# KiCad board FD_new_testblock2.kicad_pcb (continued)
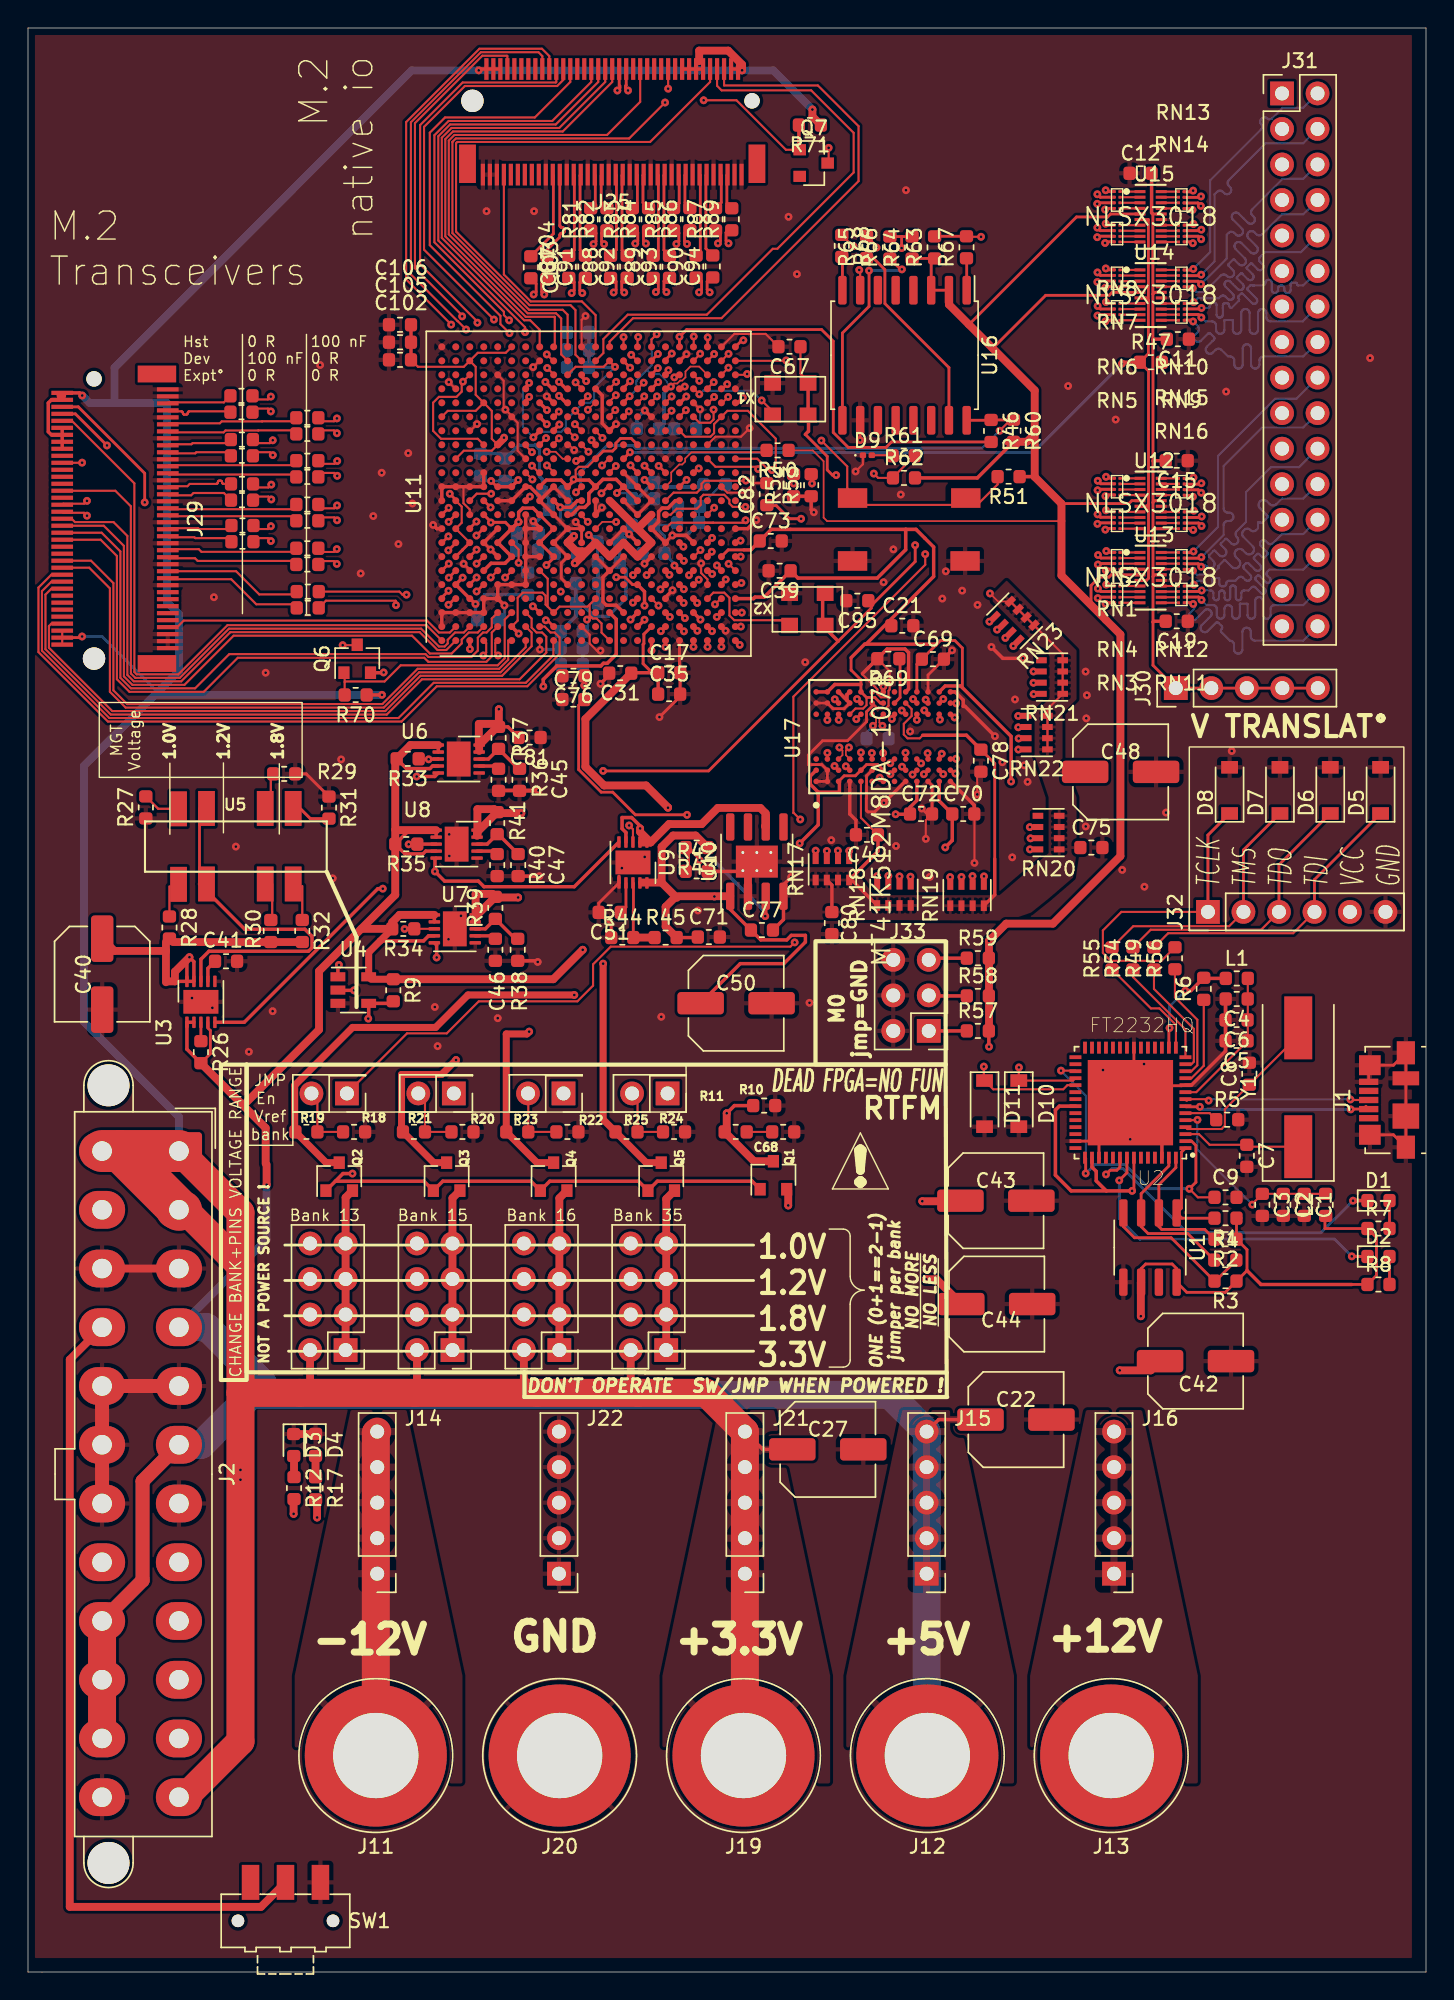
[diagram p0: board, top side]
## Routing (per net, layer and track width the routed paths; a pad name or vN(x,y) marks a point on that pad's centre or on a via; arc(x,y) is an arc through that point) (continued)
VTRANS_3_7: length 18.3
  Top w0.21: 82.73,103.6 83.73,103.6 v1(83.94,103.39)
  In2.Cu_SigDDR w0.15: J31.29 88.71,99.75 88.66,99.79 88.6,99.82 88.54,99.83 88.47,99.83 88.4,99.82 88.34,99.79 88.29,99.75 88.05,99.5 87.99,99.46 87.93,99.43 87.87,99.42 87.8,99.42 87.73,99.43 87.67,99.46 87.62,99.5 87.58,99.55 87.55,99.61 87.54,99.68 87.54,99.75 87.55,99.81 87.58,99.87 87.62,99.93 88.53,100.84 88.58,100.89 88.61,100.95 88.62,101.02 88.62,101.08 88.61,101.15 88.58,101.21 88.53,101.26 88.48,101.3 88.42,101.33 88.36,101.35 88.29,101.35 88.22,101.33 88.16,101.3 88.11,101.26 87.41,100.56 87.36,100.52 87.3,100.49 87.23,100.48 87.16,100.48 87.1,100.49 87.04,100.52 86.98,100.56 86.94,100.61 86.91,100.68 86.9,100.74 86.9,100.81 86.91,100.87 86.94,100.93 86.98,100.99 87.69,101.69 87.73,101.74 87.76,101.8 87.77,101.87 87.77,101.93 87.76,102 87.73,102.06 87.69,102.11 87.63,102.15 87.57,102.18 87.51,102.2 87.44,102.2 87.37,102.18 87.31,102.15 87.26,102.11 86.56,101.41 86.51,101.37 86.45,101.34 86.38,101.32 86.31,101.32 86.25,101.34 86.19,101.37 86.14,101.41 86.09,101.46 86.07,101.52 86.05,101.59 86.05,101.66 86.07,101.72 86.09,101.78 86.14,101.84 86.84,102.54 86.88,102.59 86.91,102.65 86.92,102.71 86.92,102.78 86.91,102.85 86.88,102.91 86.84,102.96 86.78,103 86.72,103.03 86.66,103.05 86.59,103.05 86.53,103.03 86.47,103 86.41,102.96 85.71,102.26 85.66,102.22 85.6,102.19 85.53,102.17 85.47,102.17 85.4,102.19 85.34,102.22 85.29,102.26 85.25,102.31 85.22,102.37 85.2,102.44 85.2,102.5 85.22,102.57 85.25,102.63 85.29,102.68 85.32,102.72 85.36,102.77 85.39,102.83 85.41,102.89 85.41,102.96 85.39,103.03 85.36,103.09 85.32,103.14 85.07,103.39 v1(83.94,103.39)
VTRANS_3_8: length 18.4
  Top w0.21: v1(83.35,103.1) 83.25,103.2 82.73,103.2
  In2.Cu_SigDDR w0.15: J31.31 86.73,99.19 86.68,99.23 86.62,99.26 86.55,99.27 86.49,99.27 86.42,99.26 86.36,99.23 86.31,99.19 86.07,98.95 86.02,98.91 85.96,98.88 85.89,98.86 85.83,98.86 85.76,98.88 85.7,98.91 85.65,98.95 85.61,99 85.58,99.06 85.56,99.13 85.56,99.2 85.58,99.26 85.61,99.32 85.65,99.37 86.55,100.27 86.59,100.33 86.62,100.39 86.63,100.45 86.63,100.52 86.62,100.58 86.59,100.64 86.55,100.7 86.49,100.74 86.43,100.77 86.37,100.78 86.3,100.78 86.23,100.77 86.17,100.74 86.12,100.7 85.22,99.8 85.17,99.76 85.11,99.73 85.04,99.71 84.98,99.71 84.91,99.73 84.85,99.76 84.8,99.8 84.76,99.85 84.73,99.91 84.71,99.98 84.71,100.04 84.73,100.11 84.76,100.17 84.8,100.22 85.7,101.12 85.74,101.17 85.77,101.23 85.78,101.3 85.78,101.37 85.77,101.43 85.74,101.49 85.7,101.55 85.64,101.59 85.58,101.62 85.52,101.63 85.45,101.63 85.39,101.62 85.32,101.59 85.27,101.55 84.79,101.06 84.78,101.05 84.77,101.05 84.76,101.05 84.75,101.05 84.74,101.05 84.73,101.05 84.72,101.06 84.36,101.41 84.36,101.42 84.35,101.43 84.35,101.44 84.35,101.46 84.35,101.47 84.36,101.48 84.36,101.49 84.85,101.97 84.89,102.02 84.92,102.08 84.93,102.15 84.93,102.22 84.92,102.28 84.89,102.34 84.85,102.39 84.8,102.44 84.73,102.46 84.67,102.48 84.6,102.48 84.54,102.46 84.48,102.44 84.42,102.39 83.97,101.95 83.95,101.97 83.9,101.92 83.89,101.91 83.88,101.9 83.86,101.9 83.85,101.9 83.83,101.9 83.82,101.91 83.81,101.92 83.48,102.25 83.47,102.26 83.46,102.27 83.46,102.29 83.46,102.3 83.46,102.32 83.47,102.33 83.49,102.36 83.5,102.37 83.5,102.38 83.5,102.4 83.5,102.41 83.49,102.43 83.48,102.44 83.35,102.57 v1(83.35,103.1)
VTRANS_4_1: length 17.7
  Top w0.21: v1(83.37,101.57) 83.28,101.49 82.71,101.49
  B.Cu_GND_DDR w0.15: J31.18 90.73,112.49 89.21,112.49 85.12,108.4 85.12,103.33 v1(83.37,101.57)
VTRANS_4_2: length 17.6
  Top w0.21: v1(83.93,101.16) 83.86,101.09 82.71,101.09
  B.Cu_GND_DDR w0.15: J31.20 91.21,110.43 88.27,110.43 85.52,107.68 85.52,104.65 85.53,104.58 85.55,104.52 85.59,104.46 85.63,104.42 85.69,104.38 85.75,104.36 85.82,104.35 85.92,104.35 85.99,104.34 86.05,104.32 86.11,104.28 86.16,104.24 86.19,104.18 86.22,104.12 86.22,104.05 86.22,103.98 86.19,103.92 86.16,103.86 86.11,103.82 86.05,103.78 85.99,103.76 85.92,103.75 85.82,103.75 85.75,103.74 85.69,103.72 85.63,103.68 85.59,103.64 85.55,103.58 85.53,103.52 85.52,103.45 85.52,102.75 v1(83.93,101.16)
VTRANS_4_3: length 17.6
  Top w0.21: 82.71,100.69 83.71,100.69 v1(83.92,100.48)
  B.Cu_GND_DDR w0.15: v1(83.92,100.48) 83.97,100.52 84.03,100.55 84.1,100.57 84.16,100.57 84.23,100.55 84.29,100.52 84.34,100.48 84.36,100.46 84.41,100.42 84.47,100.39 84.54,100.38 84.61,100.38 84.67,100.39 84.73,100.42 84.79,100.46 84.83,100.51 84.86,100.57 84.87,100.64 84.87,100.71 84.86,100.77 84.83,100.83 84.79,100.89 84.49,101.18 84.48,101.19 84.47,101.21 84.47,101.23 84.47,101.25 84.47,101.27 84.48,101.29 84.49,101.3 84.79,101.6 84.81,101.61 84.83,101.62 84.85,101.63 84.87,101.63 84.88,101.62 84.9,101.61 84.92,101.6 85.21,101.31 85.26,101.27 85.32,101.24 85.39,101.22 85.46,101.22 85.52,101.24 85.58,101.27 85.63,101.31 85.68,101.36 85.7,101.42 85.72,101.49 85.72,101.56 85.7,101.62 85.68,101.68 85.63,101.73 85.34,102.03 85.33,102.04 85.32,102.06 85.32,102.08 85.32,102.1 85.32,102.12 85.33,102.13 85.34,102.15 85.64,102.45 85.66,102.46 85.68,102.47 85.69,102.48 85.71,102.48 85.73,102.47 85.75,102.46 85.77,102.45 86.06,102.16 86.11,102.12 86.17,102.09 86.24,102.07 86.3,102.07 86.37,102.09 86.43,102.12 86.48,102.16 86.52,102.21 86.55,102.27 86.57,102.34 86.57,102.4 86.55,102.47 86.52,102.53 86.48,102.58 86.46,102.6 86.42,102.65 86.39,102.71 86.38,102.78 86.38,102.85 86.39,102.91 86.42,102.97 86.46,103.02 87.12,103.68 87.12,105.81 88.91,107.6 90.92,107.6 J31.22
VTRANS_4_4: length 18.4
  Top w0.21: v1(83.32,100.19) 83.23,100.29 82.71,100.29
  B.Cu_GND_DDR w0.15: J31.24 91.21,105.35 89.7,105.35 89.31,104.96 89.24,104.91 89.17,104.88 89.1,104.86 89.02,104.86 88.94,104.88 88.87,104.91 88.81,104.96 88.62,105.15 88.56,105.2 88.49,105.24 88.41,105.26 88.33,105.26 88.26,105.24 88.19,105.2 88.12,105.15 88.08,105.09 88.04,105.02 88.02,104.95 88.02,104.87 88.04,104.79 88.08,104.72 88.12,104.66 88.56,104.22 88.55,104.21 88.63,104.13 88.65,104.11 88.66,104.09 88.66,104.07 88.66,104.04 88.66,104.02 88.65,103.99 88.63,103.98 88.29,103.64 88.27,103.62 88.25,103.61 88.23,103.61 88.2,103.61 88.18,103.61 88.16,103.62 88.12,103.65 88.09,103.66 88.07,103.67 88.05,103.67 88.02,103.66 88,103.65 87.98,103.64 87.98,103.22 87.87,103.11 87.82,103.07 87.75,103.04 87.69,103.02 87.62,103.02 87.55,103.04 87.48,103.07 87.38,103.15 87.31,103.18 87.25,103.2 87.18,103.2 87.11,103.18 87.05,103.15 86.99,103.11 86.94,103.05 86.89,103 86.86,102.94 86.85,102.87 86.85,102.8 86.86,102.73 86.89,102.67 86.94,102.61 87.59,101.96 87.64,101.89 87.68,101.82 87.69,101.75 87.69,101.67 87.68,101.59 87.64,101.52 87.59,101.46 87.53,101.41 87.46,101.38 87.39,101.36 87.31,101.36 87.23,101.38 87.16,101.41 87.1,101.46 86.91,101.65 86.85,101.7 86.78,101.74 86.7,101.75 86.62,101.75 86.54,101.74 86.47,101.7 86.41,101.65 86.36,101.59 86.33,101.52 86.31,101.44 86.31,101.37 86.33,101.29 86.36,101.22 86.41,101.16 86.6,100.97 86.65,100.9 86.69,100.83 86.7,100.76 86.7,100.68 86.69,100.6 86.65,100.53 86.6,100.47 86.54,100.42 86.47,100.39 86.4,100.37 86.32,100.37 86.24,100.39 86.17,100.42 86.11,100.47 85.63,100.95 85.63,100.95 85.62,100.96 85.61,100.96 85.59,100.96 85.58,100.96 85.57,100.95 85.56,100.95 85.14,100.52 85.13,100.51 85.13,100.5 85.13,100.49 85.13,100.48 85.13,100.47 85.13,100.46 85.15,100.44 85.15,100.43 85.15,100.42 85.15,100.41 85.15,100.4 85.15,100.39 85.14,100.38 84.67,99.91 83.6,99.91 v1(83.32,100.19)
  B.Cu_GND_DDR w0.21: v1(83.32,100.19) 83.35,100.22
VTRANS_4_5: length 17.6
  Top w0.21: 82.73,99.11 83.3,99.11 v1(83.39,99.2)
  B.Cu_GND_DDR w0.15: v1(83.39,99.2) 83.67,99.48 84.01,99.48 84.06,99.47 84.1,99.46 84.14,99.43 84.17,99.4 84.19,99.36 84.21,99.32 84.22,99.23 84.23,99.19 84.26,99.15 84.29,99.12 84.33,99.1 84.37,99.08 84.41,99.08 84.51,99.08 84.56,99.08 84.6,99.1 84.64,99.12 84.67,99.15 84.69,99.19 84.71,99.23 84.71,99.28 84.71,99.48 84.71,99.58 84.72,99.6 84.72,99.62 84.74,99.64 84.75,99.65 84.77,99.67 84.79,99.67 84.81,99.68 85.11,99.68 85.14,99.67 85.16,99.67 85.18,99.65 85.19,99.64 85.2,99.62 85.21,99.6 85.21,99.58 85.21,99.28 85.22,99.23 85.23,99.19 85.26,99.15 85.29,99.12 85.33,99.1 85.37,99.08 85.41,99.08 85.51,99.08 85.56,99.08 85.6,99.1 85.64,99.12 85.67,99.15 85.69,99.19 85.71,99.23 85.72,99.32 85.73,99.36 85.76,99.4 85.79,99.43 85.83,99.46 85.87,99.47 85.91,99.48 86.36,99.48 86.57,99.69 86.62,99.72 86.67,99.75 86.72,99.76 86.78,99.76 86.83,99.75 86.88,99.72 86.92,99.69 87.07,99.55 87.11,99.51 87.16,99.49 87.21,99.48 87.27,99.48 87.33,99.49 87.38,99.51 87.42,99.55 87.45,99.59 87.48,99.64 87.49,99.7 87.49,99.75 87.48,99.81 87.45,99.86 87.42,99.9 86.98,100.34 86.95,100.37 86.94,100.41 86.93,100.45 86.93,100.49 86.94,100.52 86.95,100.56 86.98,100.59 87.08,100.7 87.12,100.72 87.15,100.74 87.19,100.75 87.23,100.75 87.27,100.74 87.3,100.72 87.33,100.7 87.77,100.25 87.82,100.22 87.87,100.2 87.92,100.18 87.98,100.18 88.03,100.2 88.08,100.22 88.13,100.25 88.16,100.3 88.19,100.35 88.2,100.4 88.2,100.46 88.19,100.51 88.16,100.56 88.13,100.61 87.72,101.01 87.7,101.04 87.69,101.06 87.68,101.09 87.68,101.12 87.69,101.14 87.7,101.17 87.72,101.19 87.9,101.37 87.92,101.39 87.94,101.4 87.97,101.4 88,101.4 88.03,101.4 88.05,101.39 88.07,101.37 88.27,101.17 88.29,101.15 88.32,101.14 88.36,101.13 88.39,101.13 88.42,101.14 88.45,101.15 88.48,101.17 88.62,101.32 88.64,101.34 88.66,101.37 88.66,101.4 88.66,101.44 88.66,101.47 88.64,101.5 88.62,101.53 88.2,101.95 88.16,101.99 88.14,102.05 88.13,102.1 88.13,102.16 88.14,102.21 88.16,102.26 88.2,102.3 88.24,102.34 88.29,102.36 88.35,102.38 88.4,102.38 88.46,102.36 88.51,102.34 88.55,102.3 88.69,102.16 88.74,102.13 88.79,102.1 88.84,102.09 88.9,102.09 88.95,102.1 89,102.13 89.05,102.16 89.7,102.81 91.21,102.81 J31.26
VTRANS_4_6: length 17.6
  Top w0.21: v1(83.95,98.78) 83.88,98.71 82.73,98.71
  B.Cu_GND_DDR w0.15: v1(83.95,98.78) 84.59,98.78 84.64,98.78 84.68,98.76 84.72,98.74 84.75,98.71 84.77,98.67 84.79,98.63 84.79,98.58 84.79,98.28 84.8,98.23 84.81,98.19 84.83,98.15 84.87,98.12 84.9,98.1 84.95,98.08 84.99,98.08 85.04,98.08 85.08,98.1 85.12,98.12 85.15,98.15 85.17,98.19 85.19,98.23 85.19,98.28 85.19,98.58 85.2,98.63 85.21,98.67 85.23,98.71 85.27,98.74 85.3,98.76 85.35,98.78 85.39,98.78 85.44,98.78 85.48,98.76 85.52,98.74 85.55,98.71 85.57,98.67 85.59,98.63 85.59,98.58 85.59,98.28 85.6,98.23 85.61,98.19 85.63,98.15 85.67,98.12 85.7,98.1 85.75,98.08 85.79,98.08 85.84,98.08 85.88,98.1 85.92,98.12 85.95,98.15 85.97,98.19 85.99,98.23 85.99,98.28 85.99,98.96 86,99 86.01,99.03 86.03,99.07 86.06,99.09 86.09,99.12 86.13,99.13 86.17,99.13 86.22,99.13 86.25,99.13 86.29,99.12 86.33,99.09 86.35,99.07 86.37,99.03 86.39,99 86.39,98.96 86.39,98.28 86.4,98.23 86.41,98.19 86.43,98.15 86.47,98.12 86.5,98.1 86.55,98.08 86.59,98.08 86.64,98.08 86.68,98.1 86.72,98.12 86.75,98.15 86.77,98.19 86.79,98.23 86.79,98.28 86.79,98.58 86.8,98.63 86.81,98.67 86.83,98.71 86.87,98.74 86.9,98.76 86.95,98.78 86.99,98.78 87.3,98.78 87.51,98.99 87.55,99.02 87.59,99.04 87.63,99.05 87.68,99.05 87.72,99.04 87.76,99.02 87.8,98.99 88.19,98.6 88.22,98.58 88.26,98.56 88.31,98.55 88.35,98.55 88.39,98.56 88.43,98.58 88.47,98.6 88.5,98.64 88.52,98.68 88.53,98.72 88.53,98.77 88.52,98.81 88.5,98.85 88.47,98.89 87.83,99.52 87.81,99.55 87.8,99.58 87.79,99.61 87.79,99.65 87.8,99.68 87.81,99.71 87.83,99.74 87.9,99.81 87.93,99.83 87.96,99.84 87.99,99.85 88.02,99.85 88.06,99.84 88.09,99.83 88.11,99.81 88.54,99.38 88.58,99.35 88.62,99.33 88.66,99.32 88.7,99.32 88.75,99.33 88.79,99.35 88.82,99.38 88.85,99.42 88.87,99.46 88.88,99.5 88.88,99.54 88.87,99.59 88.85,99.63 88.82,99.66 88.64,99.84 88.62,99.88 88.6,99.92 88.59,99.96 88.59,100.01 88.6,100.05 88.62,100.09 88.64,100.12 88.79,100.27 91.21,100.27 J31.28
VTRANS_4_7: length 17.6
  Top w0.21: 82.73,98.31 83.73,98.31 v1(83.94,98.1)
  B.Cu_GND_DDR w0.15: J31.30 91.21,97.73 89.15,97.73 89.09,97.73 89.04,97.71 88.98,97.68 88.94,97.63 88.91,97.58 88.89,97.52 88.88,97.46 88.88,97.03 88.87,96.97 88.85,96.91 88.82,96.86 88.78,96.82 88.72,96.78 88.67,96.76 88.6,96.76 88.54,96.76 88.49,96.78 88.43,96.82 88.39,96.86 88.36,96.91 88.34,96.97 88.33,97.03 88.33,98.04 88.32,98.1 88.3,98.16 88.27,98.21 88.23,98.25 88.17,98.29 88.12,98.31 88.05,98.31 87.99,98.31 87.94,98.29 87.88,98.25 87.84,98.21 87.81,98.16 87.79,98.1 87.78,98.04 87.78,97.03 87.77,96.97 87.75,96.91 87.72,96.86 87.68,96.82 87.62,96.78 87.57,96.76 87.5,96.76 87.44,96.76 87.39,96.78 87.33,96.82 87.29,96.86 87.26,96.91 87.24,96.97 87.23,97.03 87.23,97.78 87.23,97.8 87.23,97.81 87.22,97.82 87.21,97.82 87.2,97.83 87.19,97.83 87.18,97.83 86.73,97.83 86.72,97.83 86.71,97.83 86.7,97.82 86.69,97.82 86.68,97.81 86.68,97.8 86.68,97.78 86.68,97.03 86.67,96.97 86.65,96.91 86.62,96.86 86.58,96.82 86.52,96.78 86.47,96.76 86.4,96.76 86.34,96.76 86.29,96.78 86.23,96.82 86.19,96.86 86.16,96.91 86.14,96.97 86.13,97.03 86.13,97.46 86.12,97.52 86.1,97.58 86.07,97.63 86.03,97.68 85.97,97.71 85.92,97.73 85.85,97.73 85.79,97.73 85.74,97.71 85.68,97.68 85.64,97.63 85.61,97.58 85.59,97.52 85.58,97.46 85.58,97.03 85.57,96.97 85.55,96.91 85.52,96.86 85.48,96.82 85.42,96.78 85.37,96.76 85.3,96.76 85.24,96.76 85.19,96.78 85.13,96.82 85.09,96.86 85.06,96.91 85.04,96.97 85.03,97.03 85.03,97.46 85.02,97.52 85,97.58 84.97,97.63 84.93,97.68 84.87,97.71 84.82,97.73 84.75,97.73 84.31,97.73 v1(83.94,98.1)
VTRANS_4_8: length 18.4
  Top w0.21: 82.73,97.91 83.25,97.91 v1(83.35,97.81)
  B.Cu_GND_DDR w0.15: v1(83.35,97.81) 83.39,97.76 83.42,97.7 83.43,97.64 83.43,97.57 83.42,97.5 83.39,97.44 83.35,97.39 83.11,97.16 83.07,97.11 83.04,97.04 83.03,96.98 83.03,96.91 83.04,96.85 83.07,96.79 83.11,96.73 83.17,96.69 83.23,96.66 83.29,96.65 83.36,96.65 83.43,96.66 83.49,96.69 83.54,96.73 84.17,97.36 84.22,97.4 84.27,97.43 84.33,97.44 84.39,97.44 84.44,97.43 84.5,97.4 84.54,97.36 84.59,97.31 84.63,97.27 84.66,97.21 84.67,97.16 84.67,97.1 84.66,97.04 84.63,96.99 84.59,96.94 83.96,96.31 83.92,96.26 83.89,96.2 83.88,96.13 83.88,96.06 83.89,96 83.92,95.94 83.96,95.88 84.02,95.84 84.08,95.81 84.14,95.8 84.21,95.8 84.27,95.81 84.34,95.84 84.39,95.88 84.95,96.45 84.98,96.47 85.01,96.48 85.05,96.49 85.08,96.49 85.12,96.48 85.15,96.47 85.18,96.45 85.37,96.25 85.4,96.23 85.41,96.19 85.42,96.16 85.42,96.12 85.41,96.08 85.4,96.05 85.35,95.99 85.33,95.96 85.33,95.92 85.33,95.89 85.33,95.85 85.35,95.82 85.37,95.79 85.97,95.19 86.03,95.19 86.1,95.17 86.15,95.13 86.2,95.08 86.24,95.03 86.26,94.96 86.27,94.89 86.27,94.57 86.27,94.5 86.3,94.44 86.33,94.38 86.38,94.33 86.44,94.3 86.5,94.27 86.57,94.27 86.63,94.27 86.7,94.3 86.75,94.33 86.8,94.38 86.84,94.44 86.86,94.5 86.87,94.57 86.87,95.82 86.87,95.89 86.9,95.95 86.93,96.01 86.98,96.06 87.04,96.09 87.1,96.12 87.17,96.12 87.23,96.12 87.3,96.09 87.35,96.06 87.4,96.01 87.44,95.95 87.46,95.89 87.47,95.82 87.47,95.49 87.47,95.43 87.5,95.36 87.53,95.31 87.58,95.26 87.64,95.22 87.7,95.2 87.77,95.19 91.21,95.19 J31.32
  B.Cu_GND_DDR w0.21: v1(83.35,97.81) 83.37,97.84
VTRANS_OE: length 68.6
  Top w0.2: 80.13,119.53 79.96,119.7 U14.6 ; 80.13,119.53 80.14,119.54 80.14,125.29 80.13,125.3 U15.6 ; 80.13,119.53 80.14,119.52 80.14,115.72 R47.1 80.15,114.47 80.15,104.95 ; 80.15,104.95 80,104.8 U12.6 ; 80.15,104.95 80.15,99.65 80,99.5 U13.6
  Top w0.21: U11.P14 v1(43.06,108.66)
  Top w0.244: R47.1 78.35,115.1 v1(78.25,115)
  B.Cu_GND_DDR w0.21: v1(78.25,115) 71.9,108.65 43.07,108.65 v1(43.06,108.66)
Net-(C1-Pad1): length 14.2
  Top w0.15: L2.2 91.29,55.64 C1.1 C3.1 87.57,54.92 v1(87.57,54.87) ; v1(83.65,60.93) 83.63,60.91 U2.5
  B.Cu_GND_DDR w0.15: v1(87.57,54.87) 83.65,58.79 v1(83.65,60.93)
Net-(C4-Pad1): length 10.4
  Top w0.15: 87.23,66.57 87.25,66.59 L1.2 ; 87.24,66.58 83.56,62.91 U2.9
Net-(C7-Pad1): length 8.4
  Top w0.15: Y1.1 87.32,59.01 C7.1 84.52,59.15 83.76,59.91 U2.3
Net-(C8-Pad1): length 12.1
  Top w0.15: Y1.2 90.86,66.94 C8.1 85.61,61.69 85.61,60.51 85.37,60.28 82.93,60.28 U2.4
Net-(C9-Pad1): length 24.6
  Top w0.15: v1(73.89,64.45) 74.88,64.45 U2.31 ; C9.1 83.68,55.39 v1(83.07,56)
  Top w0.2: v1(75.66,57.1) 75.66,58.17 U2.43 ; 83.08,59.41 83.23,59.41 83.54,59.1 83.54,56.47 v1(83.07,56)
  B.Cu_GND_DDR w0.15: v1(75.66,57.1) 75.66,62.68 v1(73.89,64.45)
  B.Cu_GND_DDR w0.2: v1(83.07,56) 80.19,56 78.46,57.73 76.29,57.73 v1(75.66,57.1)
Net-(C11-Pad2): length 53.1
  Top w0.2: U13.16 80.6,99.9 80.47,99.77 ; 80.47,99.77 80.47,105.07 ; 80.47,99.77 80.47,93.43 J30.1 J30.5 ; 80.47,105.07 80.47,114.58 80.46,114.59 80.46,119.96 ; 80.47,105.07 80.6,105.2 U12.16 ; 80.46,119.96 80.6,120.1 U14.16 ; 80.46,119.96 80.46,125.69 80.47,125.7 U15.16
  Top w0.244: 80.47,96.53 80.52,96.58 C19.2 ; C15.2 80.49,108.06 80.47,108.04 ; 80.46,116.7 80.51,116.75 C11.2 ; C12.2 80.37,125.78 80.46,125.69
Net-(C41-Pad1): length 1.6
  Top w0.244: C41.1 12.87,71.76 U3.7
Net-(C45-Pad1): length 1.2
  Top w0.244: 33.46,86.23 U6.7
Net-(C46-Pad1): length 1.2
  Top w0.244: 33.22,74.09 U7.7
Net-(C47-Pad1): length 1.2
  Top w0.244: 33.35,80.14 U8.7
Net-(C51-Pad1): length 2.3
  Top w0.2: U9.7 42.77,76.14 C51.1
Net-(D1-Pad1): length 23.6
  Top w0.2: v1(77.11,57.03) 77.4,57.33 77.88,57.33 78.11,57.55 U2.48
  Top w0.25: v1(94.78,55.15) 94.79,55.16 D1.1
  B.Cu_GND_DDR w0.2: v1(94.78,55.15) 92.49,52.86 82.91,52.86 78.34,57.43 77.51,57.43 v1(77.11,57.03)
Net-(D1-Pad2): length 2
  Top w0.2: R7.2 D1.2
Net-(D2-Pad1): length 23.5
  Top w0.2: v1(94.69,51.17) 95.28,51.17 95.28,51.16 D2.1 ; v1(78.06,56.6) 78.61,57.15 U2.49
  B.Cu_GND_DDR w0.2: v1(94.69,51.17) 93.46,52.4 79.54,52.4 78.06,53.88 v1(78.06,56.6)
Net-(D2-Pad2): length 2
  Top w0.2: R8.2 D2.2
Net-(D3-Pad2): length 1.5
  Top w0.56: R12.1 19.03,36.87
Net-(D4-Pad2): length 1.5
  Top w0.56: R17.1 D4.2
Net-(D5-Pad1): length 88.8
  Top w0.12: v1(43.1,107.73) 43.1,107.7
  Top w0.15: J32.4 90.49,74.27 81.56,74.27 R49.2
  Top w0.2: D5.1 92.02,78.11 J32.4 ; 43.1,107.7 U11.R13
  In2.Cu_SigDDR w0.2: J32.4 92.02,78.42 79.32,91.12 79.32,94.03 64.33,109.02 44.23,109.02 43.1,107.89 v1(43.1,107.73)
Net-(D6-Pad1): length 86
  Top w0.15: R54.2 80.31,74.52 88.2,74.52 J32.3
  Top w0.2: v1(45.11,107.69) U11.U13 ; D6.1 89.48,79.17 J32.3
  In2.Cu_SigDDR w0.2: v1(45.11,107.69) 45.11,107.75 45.62,108.26 63.61,108.26 77.9,93.97 77.9,91.1 85.89,83.11 85.89,75.3 86.44,74.75 88.43,74.75 J32.3
Net-(D7-Pad1): length 82.1
  Top w0.15: J32.2 85.91,74.77 79.06,74.77 R55.2
  Top w0.2: J32.2 86.94,80.23 D7.1 ; U11.T13 v1(44.1,107.7)
  In2.Cu_SigDDR w0.2: v1(44.1,107.7) 44.1,107.97 44.69,108.56 60.41,108.56 ; 60.41,108.56 60.39,108.58 ; 60.41,108.56 64.21,108.56 78.72,94.05 78.72,91.03 86.94,82.81 J32.2
Net-(D8-Pad1): length 81
  Top w0.15: J32.1 78.21,75.8 76.88,74.47 76.88,72.87 77.45,72.3 81.07,72.3 R56.2
  Top w0.2: U11.V12 47.09,106.69 v1(47.11,106.69)
  Top w0.21: D8.1 84.4,81.29 J32.1
  In2.Cu_SigDDR w0.2: 84.02,76.18 77.4,82.8 77.4,93.78 63.41,107.77 55.05,107.77 54.13,106.85 51.83,106.85 51.83,106.87 51.58,107.12 51.12,107.12 50.69,106.69 v1(47.11,106.69)
Net-(D9-Pad2): length 1.5
  Top w0.15: D9.2 61.82,108.45
Net-(J2-Pad9): length 14.1
  Top w0.56: v1(20.68,32.5) 20.68,33.69
  In4.Cu_SigDDR w0.56: v1(20.68,32.5) 13.28,25.1 J2.9
Net-(J2-Pad16): length 58.6
  Top w0.56: J2.16 2.99,43.79 2.99,4.66 16.67,4.66 SW1.2
Net-(J3-Pad1): length 11.6
  Top w0.56: Q2.2 22.72,55.38 J3.1
Net-(J4-Pad1): length 11.6
  Top w0.56: Q3.2 30.36,55.34 J4.1
Net-(J5-Pad1): length 11.6
  Top w0.56: Q4.2 38.01,55.33 J5.1
Net-(J6-Pad1): length 11.6
  Top w0.56: J6.1 J6.7 45.65,55.28 Q5.2
Net-(J7-Pad2): length 4.2
  Top w0.15: 20.7,62.39 R19.2 R18.1
Net-(J8-Pad2): length 4.2
  Top w0.15: 28.4,62.34 R21.2 R20.1
Net-(J9-Pad2): length 4.7
  Top w0.15: R22.1 R23.2 35.79,62.8
Net-(J10-Pad2): length 4.2
  Top w0.15: R24.1 R25.2 43.6,62.43
Net-(R1-Pad2): length 7.8
  Top w0.2: U2.1 82.51,58.63 82.51,54.62 82.16,54.28 82.54,53.9 R1.2
Net-(R2-Pad2): length 9.5
  Top w0.2: 82.11,57.94 82.11,57.52 80.89,56.3 80.89,53.3 81.09,53.1 84.17,53.1 R2.2
Net-(R3-Pad2): length 11.2
  Top w0.2: 78.35,54.28 78.35,53.3 79.15,52.5 81.77,52.5 R3.2 ; 84.93,49.4 R4.2
Net-(R4-Pad1): length 11.7
  Top w0.2: R4.1 82.96,52.8 80.12,52.8 79.62,53.3 79.62,55.65 81.61,57.64 81.61,57.92
Net-(R5-Pad1): length 2.4
  Top w0.15: R5.1 84.52,61.41 U2.6
Net-(R6-Pad1): length 6.4
  Top w0.15: R6.1 84.1,64.79 83.22,63.91 U2.11
Net-(R26-Pad1): length 1.3
  Top w0.2: R26.1 U3.3
Net-(R27-Pad2): length 2.2
  Top w0.16: 10.27,83.17 9.32,83.17 R27.2
Net-(R28-Pad1): length 2.2
  Top w0.16: R28.1 10.12,77.62
Net-(R29-Pad2): length 2.3
  Top w0.16: 17.37,85.64 17.37,83.3
Net-(R30-Pad1): length 2.5
  Top w0.16: 17.47,77.8 17.47,75.32
Net-(R31-Pad2): length 2.4
  Top w0.21: 19.47,83.19 20.2,82.47 R31.2
Net-(R32-Pad1): length 2.4
  Top w0.16: R32.1 19.62,77.64
Net-(R34-Pad1): length 9.2
  Top w0.15: R34.1 U7.3
  Top w0.244: v1(26.94,74.58) 26.95,74.59 R34.1 ; v1(23.32,70.19) 22.19,70.19
  In2.Cu_SigDDR w0.244: v1(26.94,74.58) 26.94,73.81 v1(23.32,70.19)
Net-(R35-Pad1): length 13.5
  Top w0.244: U8.3 R35.1 ; U4.1 22.17,71.94 v1(22.24,72.01) ; v1(27.23,80.63) 27.83,80.63
  In2.Cu_SigDDR w0.244: v1(27.23,80.63) 22.24,75.64 v1(22.24,72.01)
Net-(R36-Pad2): length 3.7
  Top w0.244: U6.8 32.94,86.73 R37.1 35.09,86.03
Net-(R38-Pad2): length 3.7
  Top w0.244: 34.85,73.88 R39.1 32.72,74.59 U7.8
Net-(R40-Pad2): length 3.7
  Top w0.244: U8.8 32.85,80.64 R41.1 ; 33.63,81.36 R40.2
Net-(R42-Pad1): length 18.7
  Top w0.15: v1(43,81.98) 43.27,81.71 U9.3
  Top w0.2: 47.25,78.69 47.25,80.39
  Top w0.25: v1(52.74,75.5) 52.77,75.53 U10.3 ; v1(48.03,79.5) 48.03,79.61 47.25,80.39
  In4.Cu_SigDDR w0.15: v1(43,81.98) 43.19,81.98 43.68,82.47 45.06,82.47 v1(48.03,79.5)
  B.Cu_GND_DDR w0.25: v1(52.74,75.5) 52.74,75.8 49.03,79.5 v1(48.03,79.5)
Net-(R44-Pad2): length 5.5
  Top w0.2: R44.2 43.3,75.88 43.31,75.9 43.31,77.83 U9.8
  Top w0.56: R45.1 R44.2
Net-(R46-Pad2): length 30.3
  Top w0.2: 68.5,109.4 61.76,109.4 61.37,109.01 58.67,109.01 57.6,110.08 57.6,116.6 56.76,117.44 47.12,117.44 v1(46.6,116.92) U11.V22
Net-(R48-Pad2): length 2.6
  Top w0.15: v1(35.09,100.76) 35.09,101.7 U11.F8
  B.Cu_GND_DDR w0.15: v1(35.09,100.76) 35.09,100.71 R48.2
Net-(R50-Pad2): length 8.8
  Top w0.12: R50.2 52.69,108.66 47.45,108.66 47.01,108.22 47.01,108 46.8,107.79 46.58,107.79 46.01,107.22 46.01,106.61 U11.U12
Net-(R51-Pad2): length 35.5
  Top w0.15: R51.2 69.35,106.37 67.89,104.9 59.79,104.9 58.6,106.09 58.6,107.65 v1(56.75,109.5)
  Top w0.2: 41.49,106.2 v1(41.02,105.73)
  In2.Cu_SigDDR w0.2: v1(41.02,105.73) 41.57,106.28 41.57,107.91 43.16,109.5 v1(56.75,109.5)
Net-(R52-Pad2): length 18.7
  Top w0.15: v1(54.77,106.43) 54.77,107.09 ; 39.6,104.13 v1(40.04,103.69)
  In4.Cu_SigDDR w0.15: v1(40.04,103.69) 40.86,103.69 43.64,106.47 43.64,106.91 43.97,107.23 45.41,107.23 46.15,107.97 50.94,107.97 52.48,106.43 v1(54.77,106.43)
Net-(R53-Pad2): length 17.4
  Top w0.12: v1(56.08,106.43) 56.08,107.03 ; U11.M9 41.08,103.68 v1(42.07,103.68)
  In2.Cu_SigDDR w0.12: v1(42.07,103.68) 43.59,105.2 54.09,105.2 54.56,105.67 55.32,105.67 v1(56.08,106.43)
Net-(R61-Pad2): length 30.5
  Top w0.15: v1(60.5,107.14) 60.81,106.83 R62.1 ; 35.61,105.2 v1(35.9,105.49) ; 61.87,106.87 R61.2
  In4.Cu_SigDDR w0.15: v1(35.9,105.49) 36.67,106.26 42.42,106.26 43.64,107.48 43.64,107.92 43.88,108.16 45.98,108.16 46.05,108.22 59.42,108.22 v1(60.5,107.14)
Net-(R65-Pad1): length 14.3
  Top w0.2: U16.15 65.88,114.72 61.3,119.29 61.3,121.71 60.46,122.55 R65.1
Net-(R66-Pad1): length 15.1
  Top w0.2: U16.9 58.25,117.19 60.16,119.09 v1(60.16,121.65) ; R66.1 62.42,121.74 v1(62.51,121.74)
  B.Cu_GND_DDR w0.2: v1(62.51,121.74) 62.42,121.65 v1(60.16,121.65)
Net-(R67-Pad1): length 2.3
  Top w0.2: U16.1 67.15,122.52
Net-(R68-Pad2): length 2.3
  Top w0.2: U16.8 58.25,122.59
Net-(R69-Pad1): length 3.3
  Top w0.2: 62.38,93.85 62.38,91.13 U17.H8
Net-(RN1-Pad1): length 1.4
  Top w0.15: U12.10 RN1.1
Net-(RN1-Pad2): length 1.4
  Top w0.15: RN1.2 U12.9
Net-(RN1-Pad3): length 1.4
  Top w0.15: U12.8 RN1.3
Net-(RN1-Pad4): length 1.4
  Top w0.15: RN1.4 U12.7
Net-(RN2-Pad1): length 1.4
  Top w0.15: U12.4 RN2.1
Net-(RN2-Pad2): length 1.4
  Top w0.15: RN2.2 U12.3
Net-(RN2-Pad3): length 1.4
  Top w0.15: U12.2 RN2.3
Net-(RN2-Pad4): length 1.5
  Top w0.15: RN2.4 79.59,106.8
Net-(RN3-Pad1): length 1.4
  Top w0.15: RN3.1 U13.10
Net-(RN3-Pad2): length 1.4
  Top w0.15: U13.9 RN3.2
Net-(RN3-Pad3): length 1.4
  Top w0.15: RN3.3 U13.8
Net-(RN3-Pad4): length 1.4
  Top w0.15: U13.7 RN3.4
Net-(RN4-Pad1): length 1.4
  Top w0.15: RN4.1 U13.4
Net-(RN4-Pad2): length 1.4
  Top w0.15: RN4.2 U13.3
Net-(RN4-Pad3): length 1.4
  Top w0.15: RN4.3 U13.2
Net-(RN4-Pad4): length 1.5
  Top w0.15: RN4.4 79.59,101.5
Net-(RN5-Pad1): length 1.4
  Top w0.15: RN5.1 U14.10
Net-(RN5-Pad2): length 1.4
  Top w0.15: RN5.2 U14.9
